# Altium PCB AiwacA33.PcbDoc (part 13 of 14)
Units mm, origin at the board's own origin, x right, y up, seen from the top; angles counter-clockwise.
Board outline 84.06 x 74 mm, 2 copper layers (Top Layer, Bottom Layer); 141 components, 152 nets, 23205 pads, 852 vias.
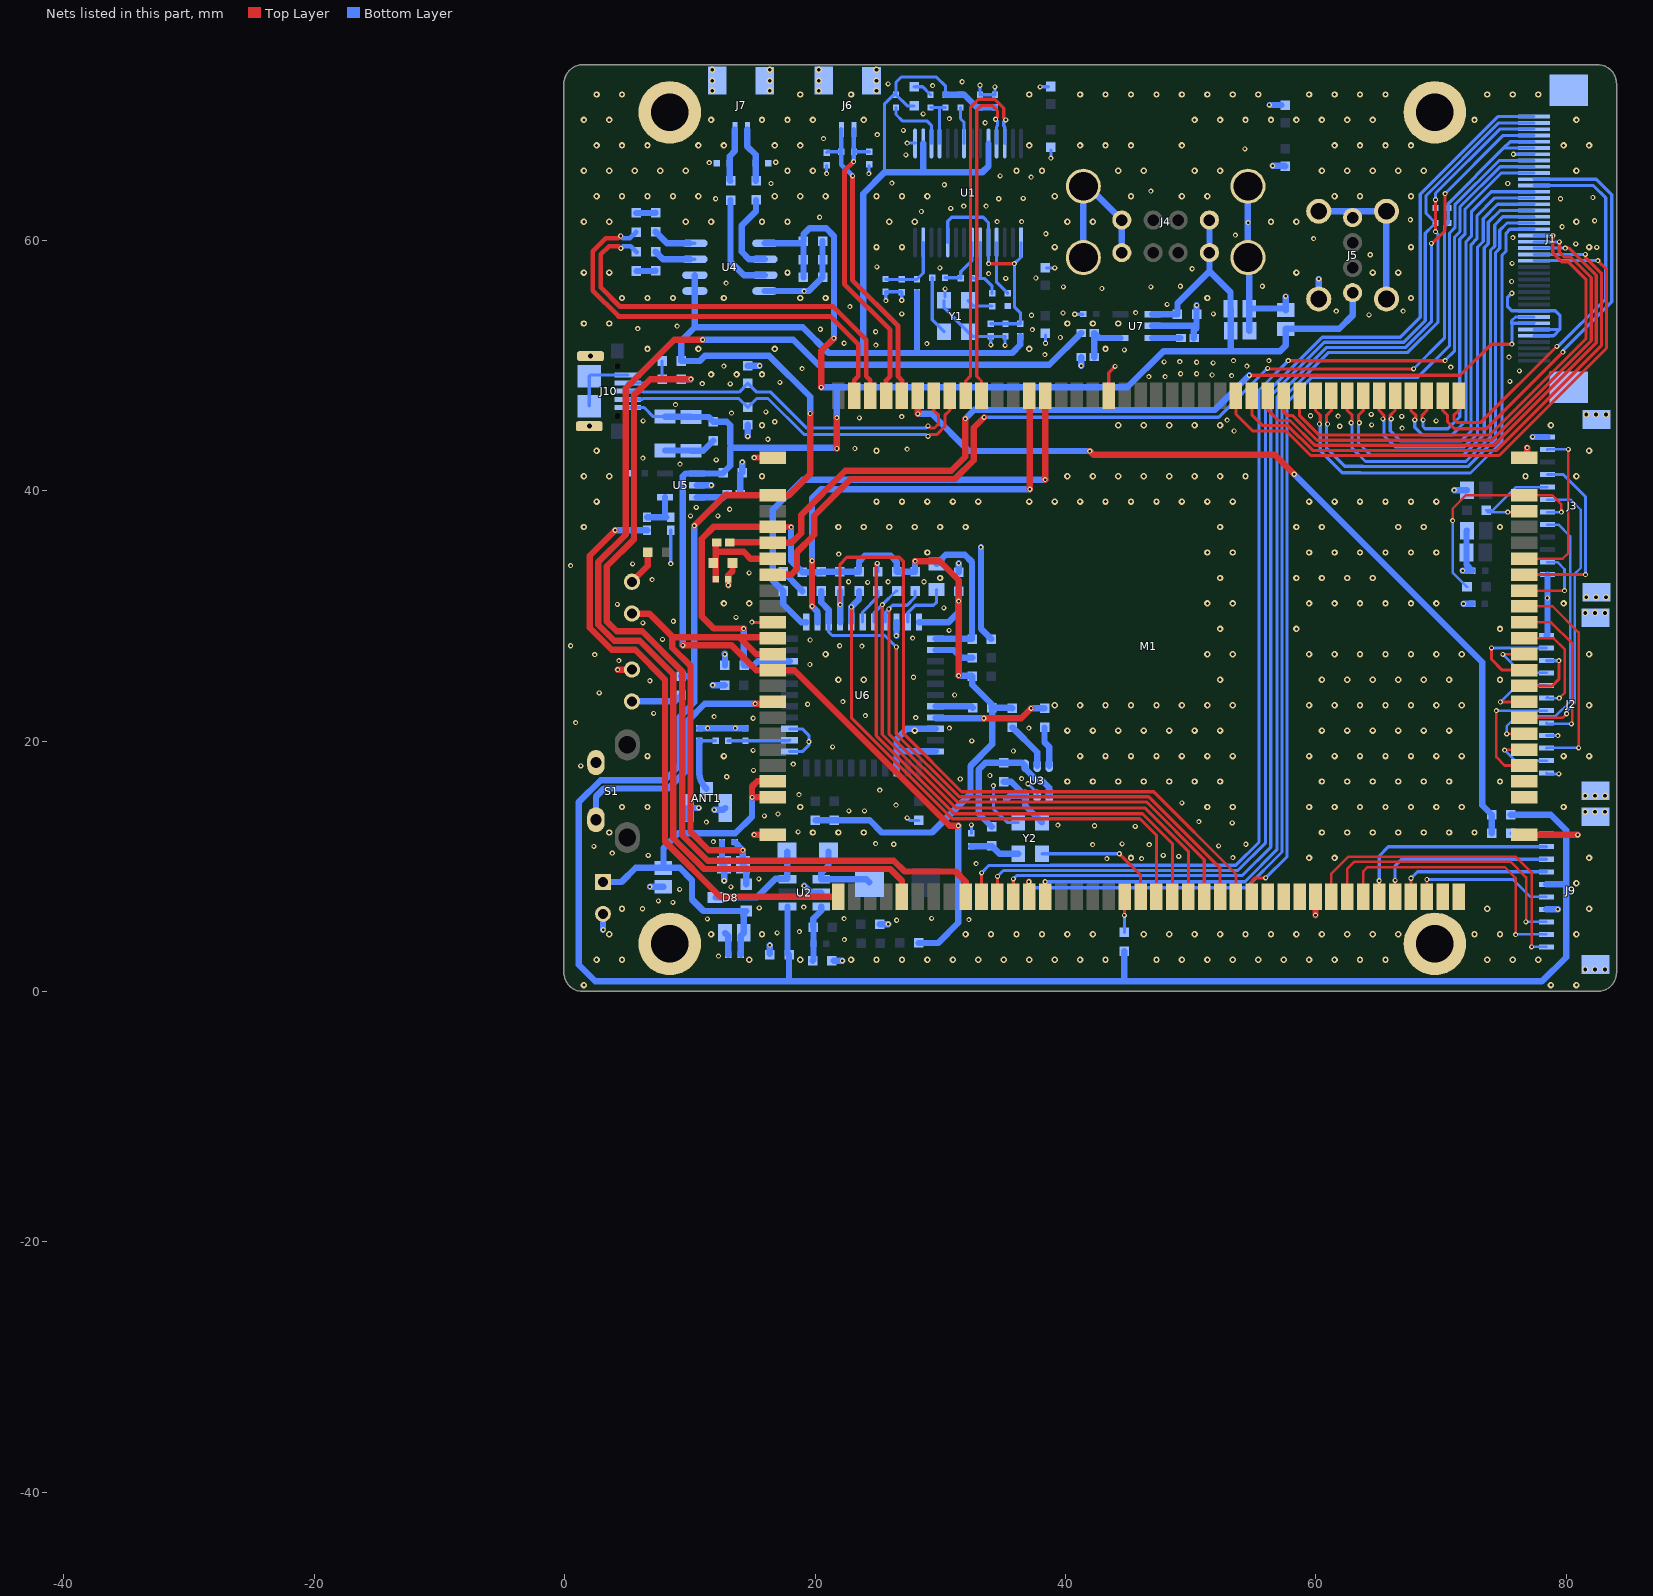
[diagram p13: the nets of this part, all layers, seen from the top]

## Via types
v1: diameter 0.406, hole 0.203, Top Layer to Bottom Layer, tented both sides, 430 vias
v2: diameter 0.508, hole 0.254, Top Layer to Bottom Layer, tented both sides, 392 vias
v3: diameter 0.508, hole 0.305, Top Layer to Bottom Layer, tented both sides, 30 vias

## Nets (pads, with @x,y where several pads share a name; then routed paths per layer and width w, separated by ;. In a path a pad name is that pad's centre, name@x,y a point inside that pad or via, vN(x,y) a via of type N, cw(c..) or ccw(c..) an arc to the next point about the centre after c; other vN are vias at no path point) (continued)
G3: J1.17 M1.95 | length 48.4
  Top Layer w0.254: M1.95@53.614,47.57 53.614,46.081 54.94,44.755 57.62,44.755 59.575,42.799 74.625,42.799 83.199,51.373 83.199,57.67 v1(82.51,58.358)
  Bottom Layer w0.254: J1.17@77.405,58.358 v1(82.51,58.358)
G4: J1.18 M1.94 | length 46
  Top Layer w0.254: M1.94@54.884,47.57 54.884,46.055 55.753,45.187 57.763,45.187 59.744,43.205 74.422,43.205 82.792,51.576 82.792,57.352 81.509,58.636 v1(81.509,58.858)
  Bottom Layer w0.254: J1.18@77.405,58.858 v1(81.509,58.858)
G5: J1.19 M1.93 | length 43.2
  Top Layer w0.254: M1.93@56.154,47.57 56.154,46.436 56.998,45.593 57.931,45.593 59.912,43.612 74.193,43.612 82.386,51.804 82.386,57.184 80.212,59.358 v1(79.908,59.358)
  Bottom Layer w0.254: J1.19@77.405,59.358 v1(79.908,59.358)
G6: J1.20 M1.92 | length 41.4
  Top Layer w0.254: M1.92@57.424,47.57 57.424,46.284 57.709,45.999 58.099,45.999 60.08,44.018 74.025,44.018 81.98,51.973 81.98,57.016 80.321,58.674 79.807,58.674 79.426,59.055 79.426,59.849 v1(79.435,59.858)
  Bottom Layer w0.254: J1.20@77.405,59.858 v1(79.435,59.858)
G7: J1.21 M1.91 | length 39.4
  Top Layer w0.254: M1.91@58.694,47.57 58.694,45.979 60.249,44.425 73.857,44.425 81.573,52.141 81.573,56.847 80.153,58.268 79.629,58.268 78.91,58.987 v1(78.91,60.358)
  Bottom Layer w0.254: J1.21@77.405,60.358 v1(78.91,60.358)
GND: ANT1.2 ANT1.3 C1.2 C2.2 C3.1 C4.1 C7.2 C8.1 C9.2 C10.2 C11.2 C12.2 C13.2 C14.2 C15.1 C17.1 C18.2 C19.2 C20.1 C21.2 C22.2 C23.1 C24.2 C27.2 C29.2 C30.2 C31.2 C32.1 C33.2 C34.2 C35.2 C36.2 C37.1 C38.1 C40.2 C41.2 C42.2 C43.2 C44.1 C45.1 C46.1 C47.1 C48.2 C49.2 D2.2 D3.2 D4.2 D5.2 D6.2 D7.2 D11.K D12.1 D13.1 J1.5 J1.6 J1.9 J1.34 J1.41 J1.42 J2.1 J2.9 J2.12 J2.13 J2.14 J3.1 J3.12 J3.13 J3.14 J4.4 J4.8 J4.9 J4.10 J4.11 J4.12 J5.4 J5.5 J5.6 J5.7 J5.8 J6.3 J6.4 J7.3 J7.4 J8.2 J9.7 J9.11 J9.12 J10.5 J10.6 M1.9 M1.40 M1.51 M1.103 M1.121 M1.122 M1.123 M1.124 pad.0 R1.2 R8.1 R17.1 R18.1 R27.2 R30.1 R31.2 R37.2 RT2.1 RT3.1 RT6.1 RT7.1 S1.1 U1.15 U2.2 U3.2 U4.8 U5.2 U6.1 U6.3 U6.20 U6.31 U6.33 U6.36 U7.2 Y1.2 Y1.4 Y2.2 Y2.4 | length 201.8
  Top Layer w0.254: v1(14.961,29.489) 14.975,29.475 M1.9@16.629,29.475 ; M1.103@43.454,47.57 43.454,49.398 v1(43.967,49.911) ; v1(44.298,10.998) 45.994,9.302 M1.40@45.994,7.57
  Top Layer w0.508: v1(4.242,25.705) D11.K@5.38,25.705 ; v1(13.081,32.436) C40.2@13.081,32.918 13.081,33.223 13.411,33.553 R30.1@13.411,34.214 ; v1(15.138,12.522) 16.629,12.522 M1.122@16.629,12.505 ; v1(15.15,42.635) M1.121@16.629,42.635 ; v1(59.964,6.101) M1.51@59.964,7.57 ; M1.123@76.629,12.505 v1(80.907,12.505) ; M1.124@76.629,42.635 76.86,42.866 v1(76.86,43.434)
  Bottom Layer w0.254: J10.6@1.974,46.741 J10.6@1.974,49.128 2.081,49.235 J10.5@5.049,49.235 ; v1(8.478,34.163) RT2.1@8.478,36.831 ; U6.1@17.978,19.17 19.018,19.17 19.507,19.66 v1(19.507,19.939) 19.507,20.447 18.984,20.97 U6.3@17.978,20.97 ; C23.1@20.928,65.956 20.928,65.305 v1(20.93,65.303) ; C27.2@24.306,65.956 24.306,65.305 v1(24.308,65.303) ; C7.2@25.629,55.88 26.889,55.88 R8.1@26.922,55.847 26.922,55.196 v1(26.924,55.194) ; C7.2@25.652,55.821 25.652,55.171 v1(25.654,55.169) ; v1(27.356,13.868) 27.558,13.666 R27.2@28.29,13.666 ; v1(27.356,67.742) 27.358,67.744 U1.15@28.008,67.744 ; Y1.2@30.309,55.186 30.309,54.586 Y1.4@32.209,52.686 32.589,52.307 C1.2@34.038,52.307 C2.2@35.206,52.307 ; v1(30.388,56.101) 30.39,56.099 Y1.2@30.39,55.448 ; C22.2@32.487,12.624 v1(32.487,13.31) ; v1(33.172,72.365) 33.174,72.363 C3.1@33.174,71.611 C4.1@34.368,71.611 34.368,72.236 v1(34.366,72.238) ; C1.2@34.034,52.291 34.034,51.64 v1(34.036,51.638) ; v1(34.239,16.434) C31.2@34.239,15.303 34.239,14.605 35.344,13.5 Y2.2@36.225,13.5 ; C2.2@35.177,52.24 35.177,51.589 v1(35.179,51.587) ; v1(37.008,16.586) 37.744,15.85 U3.2@37.744,15.621 ; v1(37.973,72.238) 37.975,72.24 D3.2@38.625,72.24 ; Y2.4@38.125,11 44.296,11 v1(44.298,10.998) ; D5.2@38.403,52.418 38.403,51.767 v1(38.405,51.765) ; D4.2@38.489,57.783 39.139,57.783 v1(39.141,57.785) ; D2.2@38.835,67.2 38.835,66.55 v1(38.837,66.548) ; v1(40.742,54.077) 40.744,54.079 C47.1@41.394,54.079 ; v1(75.641,55.753) 75.286,55.397 75.286,54.703 75.631,54.358 J1.9@77.405,54.358 79.119,54.358 79.477,54 79.477,52.858 ; v1(75.768,66.853) 75.774,66.858 J1.34@77.405,66.858 ; J1.5@77.405,52.358 78.977,52.358 79.477,52.858 ; J1.6@77.405,52.858 79.477,52.858 ; J2.12@78.41,17.435 78.471,17.374 v1(79.4,17.374) ; J2.9@78.41,20.435 v1(79.311,20.435)
  Bottom Layer w0.508: v1(3.073,4.928) J8.2@3.073,6.198 ; v1(6.819,8.369) C36.2@7.899,8.369 ; C43.2@8.021,43.202 10.075,43.202 C42.2@10.104,43.173 11.087,43.173 C44.1@11.882,43.968 ; ANT1.3@9.828,13.808 ANT1.3@9.828,14.655 10.718,14.655 v1(10.719,14.656) ; U5.2@10.561,40.425 v1(11.721,40.425) ; C37.1@10.744,21.031 v1(11.43,21.031) v1(13.64,21.031) C38.1@14.453,21.031 ; v1(11.836,24.46) R31.2@12.796,24.461 ; v1(11.963,14.503) 12.677,14.503 ANT1.2@12.828,14.655 ; C15.1@12.576,11.939 12.576,10.135 C14.2@12.74,10.135 v1@12.74,8.85 ; v1(12.802,26.924) 12.802,26.985 12.809,26.993 C41.2@12.809,26.061 ; C20.1@12.816,4.674 13.058,4.432 C21.2@13.058,2.922 ; RT3.1@14.016,39.726 14.016,41.25 C35.2@14.193,41.428 14.193,42.26 v1(14.199,42.266) ; v1(14.63,44.323) D13.1@14.63,45.25 ; D12.1@14.63,49.949 D12.1@14.643,49.962 v1(15.57,49.962) ; U4.8@15.997,55.931 19.507,55.931 C34.2@20.599,57.024 C29.2@20.599,58.446 C33.2@20.599,59.893 ; R17.1@16.395,3.017 v1(16.395,3.696) ; R37.2@17.47,33.503 18.994,31.979 C49.2@18.994,31.967 ; v1(19.126,8.433) 19.684,7.875 U2.2@20.493,7.875 ; R18.1@21.509,2.452 v1(22.187,2.452) ; C17.1@25.166,5.373 v1(25.845,5.373) ; U6.36@26.503,17.845 26.503,19.152 ; v1(26.503,28.412) U6.20@26.503,29.495 ; U6.33@29.628,19.17 26.521,19.17 26.503,19.152 ; U6.31@29.628,20.97 27.32,20.97 26.503,20.153 26.503,19.152 ; C45.1@31.465,33.491 31.465,34.183 v1(31.471,34.188) ; v1(33.249,35.484) 33.249,28.956 C46.1@34.061,28.143 ; v1(41.25,49.962) RT6.1@41.25,50.648 ; J4.10@41.427,58.6 J4.12@41.427,64.3 41.797,64.3 J4.8@44.497,61.6 J4.4@44.497,59 ; U7.2@46.934,53.15 50.294,53.15 50.465,52.979 ; RT7.1@50.267,52.197 50.241,52.172 50.241,52.756 50.465,52.979 ; v1(50.465,54.783) C48.2@50.465,54.077 50.465,52.979 ; J4.9@54.567,57.655 54.681,57.541 C8.1@54.681,54.534 ; J4.9@54.567,58.6 J4.11@54.567,64.3 ; C9.2@54.694,52.756 54.681,52.77 C8.1@54.681,54.534 ; v1(56.286,70.79) D6.2@57.252,70.79 ; v1(56.54,65.938) 57.506,65.938 D7.2@57.556,65.888 ; v1(57.582,55.499) C10.2@57.582,54.408 57.456,54.534 C8.1@54.681,54.534 ; J5.6@60.223,55.3 v1(60.223,56.896) ; J5.5@60.223,62.3 J5.4@62.992,62.3 ; J5.4@62.923,61.8 62.923,62.231 J5.4@62.992,62.3 ; J5.7@65.623,55.3 J5.8@65.623,62.3 J5.4@62.992,62.3 ; v1(71.044,40.03) C19.2@72.06,40.03 ; v1(71.704,33.604) C11.2@72.492,33.604 72.021,34.075 C18.2@72.021,35.052 72.021,36.767 C12.2@72.058,36.805 ; v1(71.78,30.963) C13.2@72.466,30.963 ; v1(77.298,44.278) J3.1@78.486,44.278 ; J9.7@78.401,6.559 79.318,6.559 v1(79.324,6.553) ; J2.1@78.41,28.435 78.486,28.511 v1(78.486,31.42) J3.12@78.486,33.278
  other v1: 12.294,2.819 22.352,4.14 16.967,4.674 18.745,4.775 26.518,5.69 32.283,5.74 11.399,5.791 22.327,5.817 29.312,5.842 6.223,6.605 15.545,6.68 19.101,6.731 8.656,7.112 7.493,7.239 9.195,8.153 13.284,8.357 12.751,8.839 15.519,8.992 32.868,10.211 43.307,10.617 46.076,10.617 53.365,10.693 49.047,10.795 6.68,10.871 47.803,10.871 3.81,11.049 2.337,11.582 52.222,11.633 42.164,11.735 46.685,11.735 26.289,11.76 54.407,11.76 44.526,11.786 24.841,11.811 11.887,11.963 18.644,12.751 45.568,13.183 42.316,13.233 39.395,13.284 53.315,13.462 11.328,13.53 50.648,13.564 15.951,14.021 17.043,14.173 22.708,14.427 23.952,14.427 26.467,14.884 49.301,15.062 18.72,15.723 25.171,16.078 31.598,16.968 36.495,16.993 12.954,17.145 33.96,17.247 15.088,17.653 1.295,18.009 18.263,18.161 35.839,19.202 15.062,19.253 21.412,19.533 32.512,20.016 30.734,21.031 37.084,21.032 0.889,21.463 15.062,21.819 28.042,21.869 11.938,21.946 24.028,22.022 7.112,22.2 19.406,22.936 22.225,23.139 31.14,23.673 2.769,23.851 6.807,24.816 27.864,25.095 19.583,26.111 4.343,26.416 2.413,26.899 23.749,27.584 0.483,27.61 21.971,27.61 19.609,28.067 7.823,28.118 27.793,28.219 30.703,28.829 6.248,29.439 8.687,29.566 13.691,29.87 30.297,30.632 4.216,30.912 24.201,32.664 22.677,32.715 25.832,32.716 28.702,32.716 6.985,32.893 14.732,33.426 0.483,34.011 5.436,34.138 21.895,34.925 10.058,37.973 12.243,37.973 13.183,38.506 10.516,38.659 9.22,42.113 12.116,42.443 6.248,42.596 27.356,43.307 23.19,43.358 16.231,44.095 53.467,44.755 66.878,44.983 61.9,45.136 64.44,45.237 16.784,45.491 6.274,45.568 69.596,45.568 52.908,45.618 23.546,45.796 26.924,45.898 66.853,45.923 61.773,45.949 59.563,45.974 64.414,46.076 13.33,46.177 16.073,46.279 8.859,46.863 13.228,48.514 10.993,48.539 17.191,48.641 75.489,48.717 46.66,49.098 47.955,49.098 53.264,49.174 51.714,49.225 49.2,49.327 50.47,49.327 76.251,49.555 18.974,49.733 70.764,49.86 12.72,49.936 54.483,49.936 51.791,50.19 50.47,50.241 47.879,50.267 49.124,50.292 53.416,50.368 56.236,50.368 75.413,50.648 38.354,50.851 44.704,51.232 24.867,51.613 28.931,51.74 22.327,51.765 39.599,52.222 24.841,52.68 37.363,52.857 20.422,52.883 5.842,52.934 8.992,53.137 37.287,54 64.237,54.026 26.924,54.102 51.816,54.102 39.802,54.178 45.593,54.204 61.62,54.331 66.954,54.331 22.784,54.686 48.108,54.864 19.126,55.931 42.901,56.134 39.827,56.261 46.812,56.261 49.174,56.312 55.728,56.312 12.903,56.566 75.616,56.693 35.23,56.947 37.643,56.972 33.858,57.328 50.114,57.709 29.972,57.785 24.943,57.861 75.667,58.141 64.338,58.826 82.423,59.411 80.747,59.69 59.817,60.122 75.717,60.198 53.569,60.401 38.43,60.503 79.654,61.062 54.585,61.392 34.544,61.468 36.5,61.468 82.245,61.544 67.539,61.62 20.371,61.824 28.499,62.281 30.836,62.535 31.877,62.713 33.655,62.713 12.065,63.297 34.671,63.297 79.527,63.297 36.627,63.322 82.118,63.398 46.812,63.906 30.328,64.414 16.485,64.516 75.311,64.516 26.137,64.541 37.262,65.024 34.773,65.126 11.557,66.192 16.866,66.218 27.254,66.802 54.331,67.285 20.676,68.097 24.968,68.428 27.051,68.758 33.579,69.367 30.734,69.698 28.626,70.079 29.388,72.339 25.832,72.466 31.75,72.644
  other v2: 1.544,0.509 78.76,0.509 80.792,0.509 2.56,2.541 4.592,2.541 14.752,2.541 18.816,2.541 22.88,2.541 24.912,2.541 26.944,2.541 28.976,2.541 31.008,2.541 33.04,2.541 35.072,2.541 37.104,2.541 39.136,2.541 41.168,2.541 43.2,2.541 47.264,2.541 49.296,2.541 51.328,2.541 53.36,2.541 55.392,2.541 57.424,2.541 59.456,2.541 61.488,2.541 63.52,2.541 65.552,2.541 73.68,2.541 75.712,2.541 77.744,2.541 3.576,4.573 11.704,4.573 15.768,4.573 32.024,4.573 34.056,4.573 36.088,4.573 38.12,4.573 40.152,4.573 42.184,4.573 46.248,4.573 48.28,4.573 50.312,4.573 52.344,4.573 54.376,4.573 56.408,4.573 58.44,4.573 60.472,4.573 62.504,4.573 64.536,4.573 66.568,4.573 72.664,4.573 74.696,4.573 80.792,4.573 4.592,6.605 73.68,6.605 81.808,6.605 80.792,8.637 45.232,10.669 59.456,10.669 61.488,10.669 81.808,10.669 3.576,12.701 19.832,12.701 21.864,12.701 23.896,12.701 60.472,12.701 62.504,12.701 64.536,12.701 66.568,12.701 68.6,12.701 70.632,12.701 72.664,12.701 4.592,14.733 6.624,14.733 18.816,14.733 51.328,14.733 53.36,14.733 59.456,14.733 61.488,14.733 63.52,14.733 65.552,14.733 67.584,14.733 69.616,14.733 71.648,14.733 79.776,14.733 40.152,16.765 42.184,16.765 44.216,16.765 46.248,16.765 48.28,16.765 50.312,16.765 52.344,16.765 60.472,16.765 62.504,16.765 64.536,16.765 66.568,16.765 68.6,16.765 70.632,16.765 74.696,16.765 6.624,18.797 12.72,18.797 41.168,18.797 43.2,18.797 45.232,18.797 47.264,18.797 49.296,18.797 51.328,18.797 53.36,18.797 59.456,18.797 61.488,18.797 63.52,18.797 65.552,18.797 67.584,18.797 69.616,18.797 71.648,18.797 79.776,18.797 81.808,18.797 27.96,20.829 40.152,20.829 42.184,20.829 44.216,20.829 46.248,20.829 48.28,20.829 50.312,20.829 52.344,20.829 60.472,20.829 62.504,20.829 64.536,20.829 66.568,20.829 68.6,20.829 70.632,20.829 39.136,22.861 41.168,22.861 43.2,22.861 45.232,22.861 47.264,22.861 49.296,22.861 51.328,22.861 53.36,22.861 59.456,22.861 61.488,22.861 63.52,22.861 65.552,22.861 67.584,22.861 69.616,22.861 71.648,22.861 81.808,22.861 21.864,24.893 23.896,24.893 52.344,24.893 60.472,24.893 62.504,24.893 64.536,24.893 66.568,24.893 68.6,24.893 70.632,24.893 74.696,24.893 20.848,26.925 51.328,26.925 53.36,26.925 59.456,26.925 61.488,26.925 63.52,26.925 65.552,26.925 67.584,26.925 69.616,26.925 71.648,26.925 81.808,26.925 52.344,28.957 58.44,28.957 74.696,28.957 12.72,30.989 14.752,30.989 51.328,30.989 53.36,30.989 59.456,30.989 61.488,30.989 63.52,30.989 65.552,30.989 67.584,30.989 69.616,30.989 79.776,30.989 29.992,33.021 52.344,33.021 58.44,33.021 60.472,33.021 62.504,33.021 64.536,33.021 28.976,35.053 51.328,35.053 53.36,35.053 59.456,35.053 61.488,35.053 63.52,35.053 65.552,35.053 67.584,35.053 69.616,35.053 1.544,37.085 21.864,37.085 23.896,37.085 25.928,37.085 27.96,37.085 29.992,37.085 32.024,37.085 52.344,37.085 58.44,37.085 60.472,37.085 66.568,37.085 68.6,37.085 74.696,37.085 2.56,39.117 24.912,39.117 26.944,39.117 28.976,39.117 31.008,39.117 33.04,39.117 37.104,39.117 39.136,39.117 41.168,39.117 43.2,39.117 45.232,39.117 47.264,39.117 49.296,39.117 51.328,39.117 53.36,39.117 59.456,39.117 61.488,39.117 63.52,39.117 65.552,39.117 67.584,39.117 69.616,39.117 1.544,41.149 3.576,41.149 15.768,41.149 40.152,41.149 42.184,41.149 44.216,41.149 46.248,41.149 48.28,41.149 50.312,41.149 52.344,41.149 54.376,41.149 76.728,41.149 80.792,41.149 2.56,43.181 24.912,43.181 81.808,43.181 15.768,45.213 44.216,45.213 46.248,45.213 48.28,45.213 50.312,45.213 52.344,45.213 78.76,45.213 11.704,49.277 13.736,49.277 15.768,49.277 6.624,51.309 10.688,51.309 16.784,51.309 37.104,51.309 43.2,51.309 1.544,53.341 3.576,53.341 40.152,53.341 42.184,53.341 44.216,53.341 4.592,55.373 6.624,55.373 8.656,55.373 12.72,55.373 18.816,55.373 20.848,55.373 51.328,55.373 67.584,55.373 1.544,57.405 3.576,57.405 17.8,57.405 58.44,57.405 64.536,57.405 66.568,57.405 24.912,59.437 26.944,59.437 39.136,59.437 67.584,59.437 81.808,59.437 1.544,61.469 3.576,61.469 9.672,61.469 11.704,61.469 15.768,61.469 17.8,61.469 25.928,61.469 27.96,61.469 40.152,61.469 42.184,61.469 56.408,61.469 58.44,61.469 80.792,61.469 2.56,63.501 4.592,63.501 6.624,63.501 8.656,63.501 10.688,63.501 16.784,63.501 18.816,63.501 20.848,63.501 24.912,63.501 26.944,63.501 28.976,63.501 39.136,63.501 45.232,63.501 49.296,63.501 51.328,63.501 61.488,63.501 63.52,63.501 67.584,63.501 1.544,65.533 3.576,65.533 5.608,65.533 7.64,65.533 9.672,65.533 17.8,65.533 19.832,65.533 36.088,65.533 38.12,65.533 44.216,65.533 46.248,65.533 50.312,65.533 52.344,65.533 60.472,65.533 62.504,65.533 64.536,65.533 66.568,65.533 68.6,65.533 80.792,65.533 2.56,67.565 4.592,67.565 6.624,67.565 10.688,67.565 12.72,67.565 16.784,67.565 18.816,67.565 37.104,67.565 41.168,67.565 43.2,67.565 45.232,67.565 49.296,67.565 61.488,67.565 63.52,67.565 65.552,67.565 67.584,67.565 79.776,67.565 81.808,67.565 1.544,69.597 3.576,69.597 11.704,69.597 15.768,69.597 17.8,69.597 19.832,69.597 23.896,69.597 50.312,69.597 52.344,69.597 54.376,69.597 56.408,69.597 58.44,69.597 60.472,69.597 62.504,69.597 64.536,69.597 72.664,69.597 80.792,69.597 2.56,71.629 4.592,71.629 18.816,71.629 22.88,71.629 37.104,71.629 41.168,71.629 43.2,71.629 45.232,71.629 47.264,71.629 49.296,71.629 51.328,71.629 53.36,71.629 55.392,71.629 59.456,71.629 61.488,71.629 63.52,71.629 65.552,71.629 73.68,71.629 75.712,71.629 77.744,71.629
  other v3: 81.501,1.759 82.281,1.759 83.081,1.759 81.501,14.359 82.281,14.359 83.081,14.359 81.51,15.635 82.29,15.635 83.09,15.635 81.51,30.235 82.29,30.235 83.09,30.235 81.586,31.478 82.366,31.478 83.166,31.478 81.586,46.078 82.366,46.078 83.166,46.078 11.792,71.926 16.392,71.926 20.301,71.926 24.901,71.926 11.792,72.726 16.392,72.726 20.301,72.726 24.901,72.726 11.792,73.606 16.392,73.606 20.301,73.606 24.901,73.606
HOST2_5V: C8.2 C9.1 C10.1 C29.1 C33.1 C34.1 C35.1 C42.1 C43.1 C44.2 C48.1 J4.1 J4.5 J5.1 J10.1 M1.12 R15.1 U4.5 U5.1 U7.1 | length 169.1
  Top Layer w0.508: v1(9.449,27.635) 13.335,27.635 15.305,25.665 M1.12@16.629,25.665 18.328,25.665 30.759,13.233 v1(31.445,13.233) ; v1(20.498,48.235) 20.498,51.156 v1(21.514,52.172) ; v1(21.742,43.358) v1(21.742,45.822)
  Bottom Layer w0.254: J10.1@5.049,46.635 6.349,46.635 7.082,45.902 C43.1@8.021,45.902
  Bottom Layer w0.508: C43.1@8.021,45.902 10.075,45.902 C42.1@10.104,45.873 11.501,45.873 C44.2@11.882,45.492 12.953,45.492 13.233,45.212 13.233,43.713 ; v1(9.449,27.635) 9.449,41.148 9.665,41.365 U5.1@10.561,41.365 12.606,41.365 C35.1@12.669,41.428 13.233,41.992 13.233,43.409 21.692,43.409 v1(21.742,43.358) ; U4.5@15.997,59.741 18.924,59.741 19.075,59.59 C29.1@19.075,58.446 C34.1@19.075,57.024 ; C33.1@19.075,59.893 19.075,60.452 19.558,60.935 20.895,60.935 21.514,60.316 v1(21.514,52.172) ; v1(20.498,48.235) 21.844,48.235 ; v1(21.742,45.822) 21.742,48.133 21.844,48.235 ; R15.1@28.29,3.874 29.833,3.874 31.445,5.486 v1(31.445,13.233) ; U7.1@46.934,54.09 48.928,54.09 C48.1@48.941,54.077 48.941,54.96 51.497,57.516 ; J4.5@51.497,61.6 J4.1@51.497,59 51.497,57.516 ; J5.1@62.923,55.8 62.923,53.983 61.849,52.908 C10.1@57.582,52.908 57.582,51.587 57.125,51.13 53.194,51.13 ; 21.844,48.235 44.933,48.235 47.828,51.13 53.194,51.13 ; 51.497,57.516 53.181,55.832 C8.2@53.181,54.534 53.194,54.521 C9.1@53.194,52.756 53.194,51.13
HPL: C26.1 M1.118 | length 33.6
  Top Layer w0.381: v1(4.496,59.334) 4.318,59.512 3.556,59.512 2.896,58.852 2.896,56.219 4.429,54.686 21.438,54.686 24.087,52.037 24.087,49.128 24.404,48.81 M1.118@24.404,47.57
  Bottom Layer w0.381: v1(4.496,59.334) 4.674,59.512 5.283,59.512 C26.1@5.74,59.055
HPR: C28.1 M1.119 | length 34.6
  Top Layer w0.381: v1(4.47,60.325) 4.293,60.147 3.293,60.147 2.261,59.115 2.261,58.454 2.261,55.956 4.318,53.899 21.234,53.899 23.452,51.682 23.452,49.128 23.134,48.81 M1.119@23.134,47.57
  Bottom Layer w0.381: v1(4.47,60.325) 4.648,60.147 5.22,60.147 C28.1@5.715,60.642
LCD-BL-EN: J1.33 M1.47 | length 75.2
  Top Layer w0.254: M1.47@54.884,7.57 54.884,8.788 55.164,9.068 v1(55.982,9.068)
  Bottom Layer w0.254: v1(55.982,9.068) 57.696,10.782 57.696,47.053 59.677,49.035 68.135,49.035 70.663,51.562 70.663,60.554 71.095,60.985 71.095,62.821 74.632,66.358 J1.33@77.405,66.358
LCD-PWM: J1.32 M1.30 | length 97
  Top Layer w0.254: M1.30@33.294,7.57 33.294,9.469 v1(33.299,9.474) ; v1(57.785,50.368) v1(70.307,50.368)
  Bottom Layer w0.254: v1(33.299,9.474) 33.896,10.071 38.791,10.071 38.804,10.084 53.603,10.084 55.448,11.929 55.448,48.031 v1(57.785,50.368) ; v1@70.294,50.381 71.069,51.156 71.069,60.249 71.501,60.681 71.501,62.652 74.707,65.858 J1.32@77.405,65.858
LCDS0_VN3: J1.29 M1.81 | length 32.6
  Top Layer w0.254: M1.81@71.394,47.57 71.394,46.393 71.013,46.012 71.013,45.7 71.272,45.441 73.171,45.441 v1(79.245,51.514)
  Bottom Layer w0.254: J1.29@77.405,64.358 78.802,64.358 78.806,64.354 82.153,64.354 83.134,63.373 83.134,55.296 79.353,51.514 v1(79.245,51.514)
LCDS0_VP3: J1.30 M1.82 | length 35.1
  Top Layer w0.254: M1.82@70.124,47.57 70.124,46.393 70.505,46.012 70.505,45.489 71.062,44.933 73.597,44.933 v1(79.712,51.047)
  Bottom Layer w0.254: J1.30@77.405,64.858 78.802,64.858 78.806,64.862 82.382,64.862 83.621,63.623 83.621,55.064 79.712,51.155 v1(79.712,51.047)
LRADC0: M1.115 R32.2 R35.1 | length 68.7
  Top Layer w0.508: M1.115@28.214,47.57 28.214,46.132 v1(28.219,46.126) ; v1(41.935,43.155) 42.24,42.85 56.718,42.85 v1(58.268,41.3)
  Bottom Layer w0.508: v1(28.219,46.126) 29.317,46.126 32.289,43.155 v1(41.935,43.155) ; v1(58.268,41.3) 73.279,26.289 73.279,14.884 R32.2@74.041,14.122 R35.1@74.041,12.649
LVDS0_VN0: J1.23 M1.89 | length 39.2
  Top Layer w0.254: v1(60.929,45.314) 60.853,45.39 60.853,46.012 61.234,46.393 M1.89@61.234,47.57
  Bottom Layer w0.254: v1(60.929,45.314) 60.853,45.237 60.853,43.383 62.301,41.935 63.763,41.935 63.789,41.91 72.132,41.91 74.346,44.124 74.346,59.009 74.676,59.339 74.676,60.787 75.252,61.362 76.004,61.362 76.008,61.358 J1.23@77.405,61.358
LVDS0_VN1: J1.25 M1.87 | length 36.2
  Top Layer w0.254: v1(63.469,45.415) 63.393,45.491 63.393,46.012 63.774,46.393 M1.87@63.774,47.57
  Bottom Layer w0.254: v1(63.469,45.415) 63.393,45.339 63.393,43.795 64.364,42.824 71.753,42.824 73.431,44.503 73.431,59.387 73.762,59.718 73.762,61.417 74.703,62.358 J1.25@77.405,62.358
LVDS0_VN2: J1.27 M1.85 | length 32.7
  Top Layer w0.254: v1(66.009,45.72) 65.933,45.796 65.933,46.012 66.314,46.393 M1.85@66.314,47.57
  Bottom Layer w0.254: v1(66.009,45.72) 65.933,45.644 65.933,44.765 66.731,43.967 71.603,43.967 72.39,44.755 72.39,59.639 72.847,60.096 72.847,61.925 74.288,63.366 77.397,63.366 J1.27@77.405,63.358